# Allegro board 8880F5-0825_4.brd (continued)
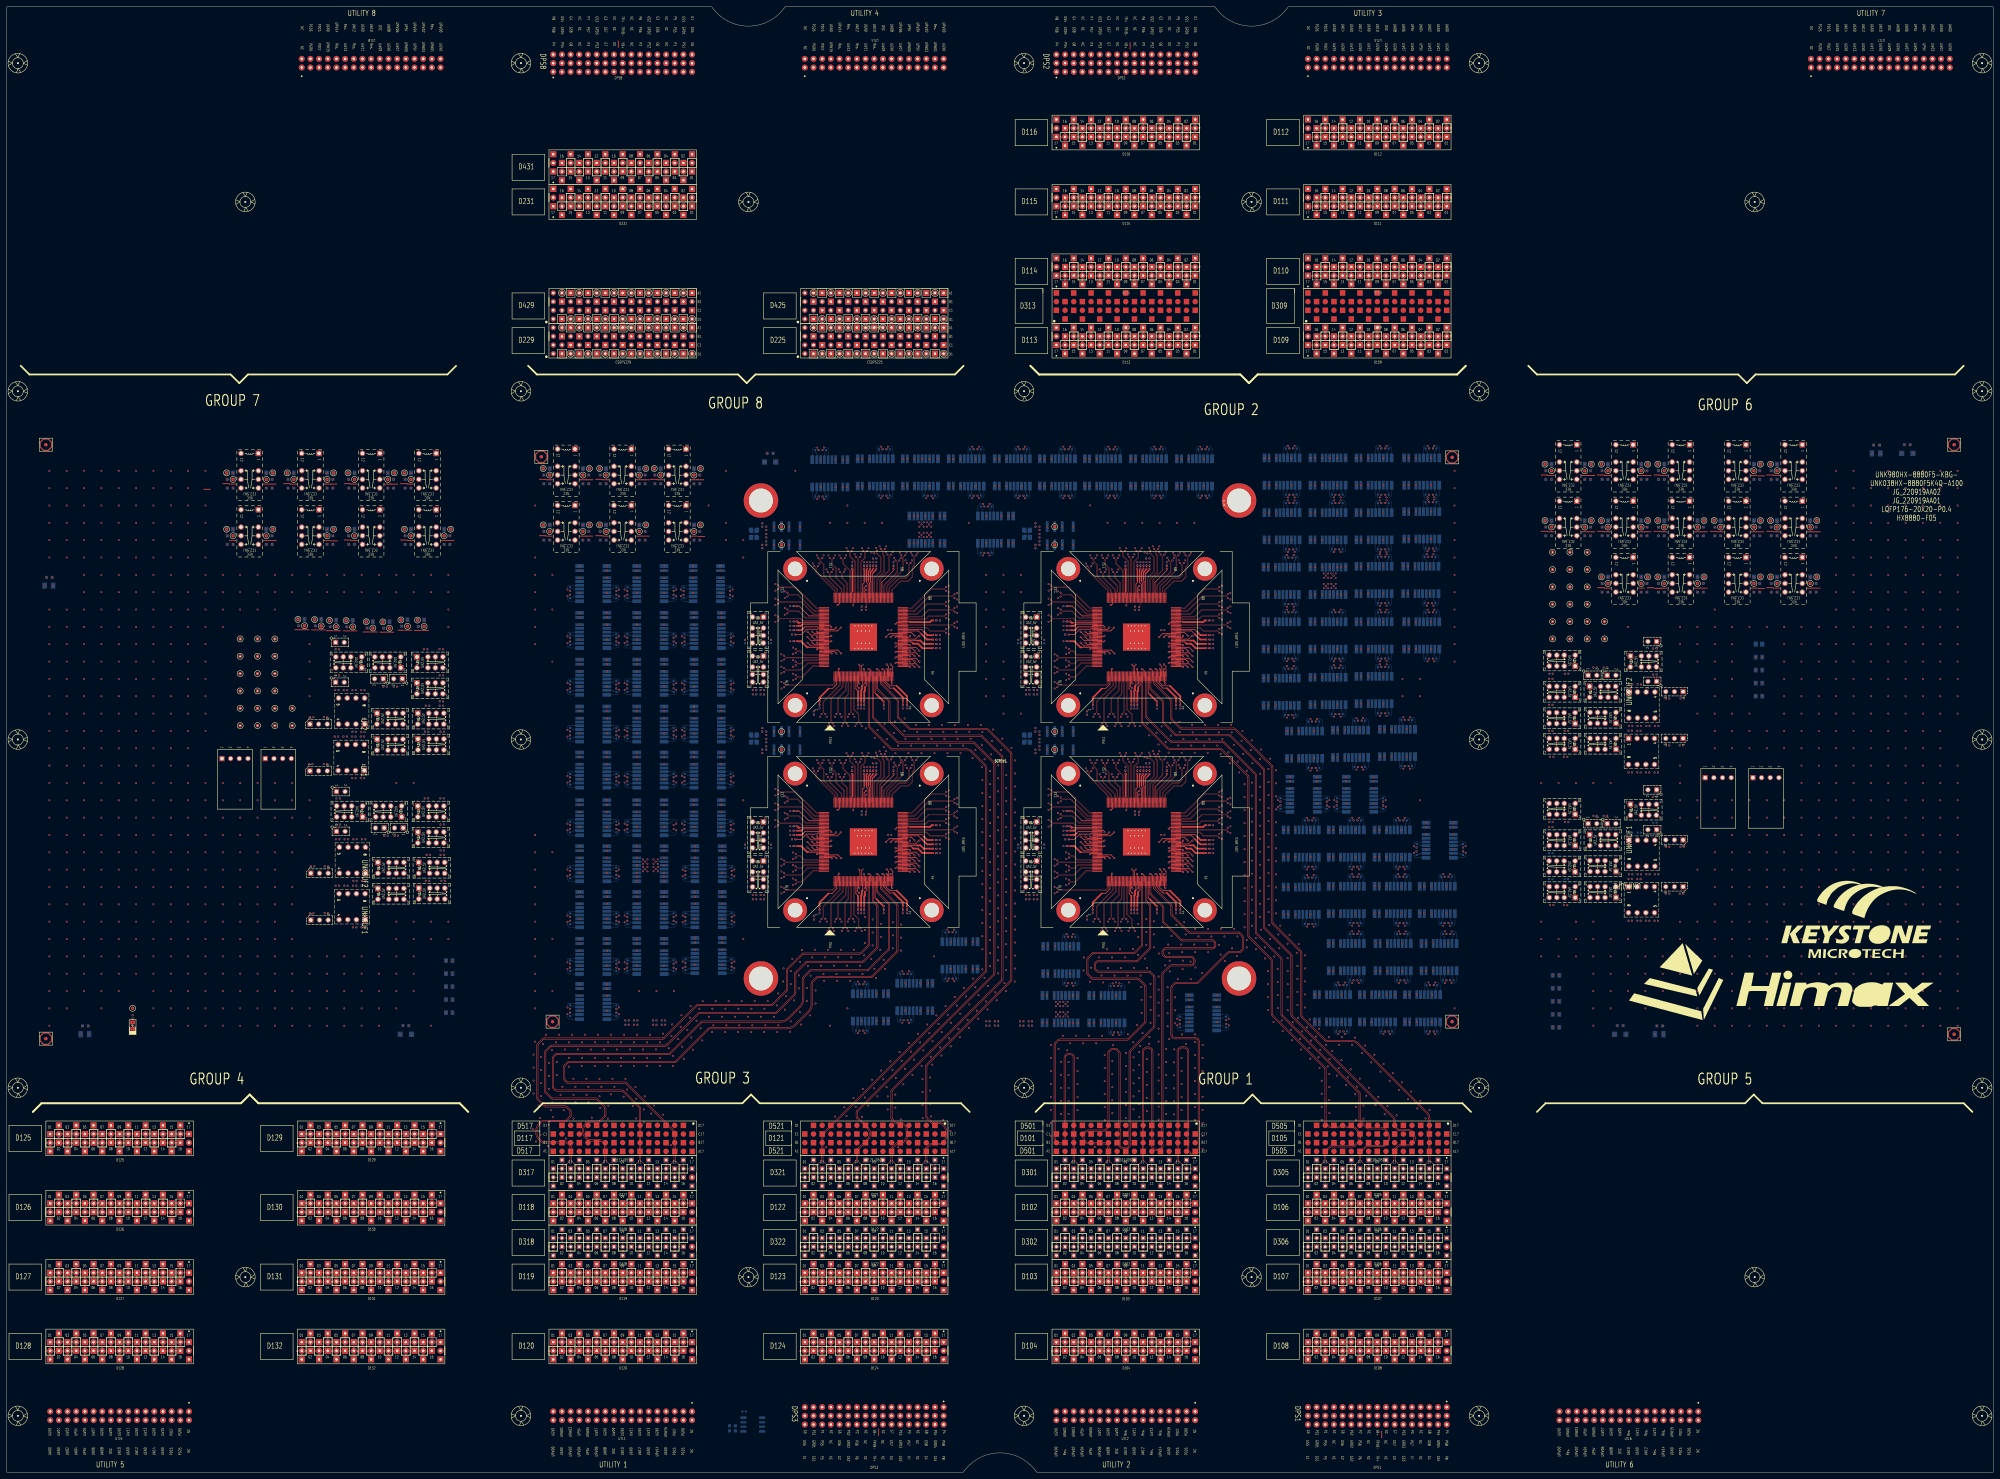
[diagram p0: board, top side]
## Routing (per net, layer and track width the routed paths; a pad name or vN(x,y) marks a point on that pad's centre or on a via; arc(x,y) is an arc through that point) (continued)
v1(340.37,39.47) v1(340.37,36.93) v1(340.38,152.07) v1(340.38,126.85) v1(340.53,149.84) v1(340.54,146.68) v1(340.64,219.41) v1(340.85,215.78) v1(341.05,157.05) v1(341.54,269.37) v1(341.54,209.37) v1(341.57,88.9) v1(341.57,68.58) v1(341.64,393.8) v1(341.62,391.06) v1(341.64,373.48) v1(341.62,370.74) v1(341.64,353.16) v1(341.62,350.42) v1(341.64,332.84) v1(341.62,330.1) v1(341.64,78.84) v1(341.62,76.1) v1(341.64,58.52) v1(341.62,55.78) v1(341.64,38.2) v1(341.62,35.46) v1(341.74,267.86) v1(341.74,207.86) v1(341.77,120.04) v1(341.77,116.23) v1(341.77,112.42) v1(341.77,108.61) v1(341.77,104.8) v1(341.69,86.36) v1(341.69,66.04) v1(341.84,123.85) v1(342.12,139.11) v1(342.12,135.3) v1(342.12,131.49) v1(342.49,160.23) v1(342.63,296.86) v1(342.63,288.86) v1(342.65,278.1) v1(342.87,144.43) v1(342.91,395.07) v1(342.91,392.53) v1(342.91,374.75) v1(342.91,372.21) v1(342.91,354.43) v1(342.91,351.89) v1(342.91,334.11) v1(342.91,331.57) v1(342.9,87.57) v1(342.9,85.15) v1(342.89,77.37) v1(342.89,74.83) v1(342.9,67.25) v1(342.9,64.83) v1(342.89,57.05) v1(342.89,54.51) v1(342.89,36.73) v1(342.89,34.19) v1(343.04,212.86) v1(343.14,267.1) v1(343.14,207.1) v1(343.45,269.37) v1(343.38,219.81) v1(343.43,216.82) v1(343.45,209.37) v1(343.9,154.57) v1(344.03,210.74) v1(344,121.31) v1(344,117.5) v1(344,113.69) v1(344,109.88) v1(344,106.07) v1(344.18,393.8) v1(344.16,391.06) v1(344.18,373.48) v1(344.16,370.74) v1(344.18,353.16) v1(344.16,350.42) v1(344.18,332.84) v1(344.16,330.1) v1(344.1,128.23) v1(344.11,86.36) v1(344.18,78.84) v1(344.16,76.1) v1(344.11,66.04) v1(344.18,58.52) v1(344.16,55.78) v1(344.18,38.2) v1(344.16,35.46) v1(344.18,152.34) v1(344.23,88.9) v1(344.23,68.58) v1(344.34,149.84) v1(344.29,147.36) v1(344.53,214.79) v1(344.73,161.14) v1(344.8,269.37) v1(344.8,209.37) v1(345.05,267.1) v1(345.05,207.1) v1(345.18,157.54) v1(345.28,125.48) v1(345.43,392.33) v1(345.43,389.79) v1(345.43,372.01) v1(345.43,369.47) v1(345.43,351.69) v1(345.43,349.15) v1(345.43,331.37) v1(345.43,328.83) v1(345.44,90.11) v1(345.44,87.69) v1(345.45,80.11) v1(345.45,77.57) v1(345.44,69.79) v1(345.44,67.37) v1(345.45,59.79) v1(345.45,57.25) v1(345.45,39.47) v1(345.45,36.93) v1(346.08,296.86) v1(346.08,288.86) v1(346.27,139.72) v1(346.27,136.27) v1(346.27,131.87) v1(346.64,149.58) v1(346.65,88.9) v1(346.65,68.58) v1(346.72,393.8) v1(346.7,391.06) v1(346.72,373.48) v1(346.7,370.74) v1(346.72,353.16) v1(346.7,350.42) v1(346.72,332.84) v1(346.7,330.1) v1(346.7,269.37) v1(346.7,209.37) v1(346.68,144.43) v1(346.72,78.84) v1(346.72,58.52) v1(346.72,38.2) v1(346.85,212.86) v1(347.09,218.94) v1(347.24,216.72) v1(347.46,92) v1(347.73,278.1) v1(347.71,154.57) v1(347.84,210.74) v1(347.97,159.14) v1(347.91,128.23) v1(347.91,126.01) v1(347.94,122.2) v1(347.94,118.39) v1(347.94,114.58) v1(347.94,110.77) v1(347.94,106.96) v1(347.94,103.15) v1(347.99,395.07) v1(347.99,392.53) v1(347.99,374.75) v1(347.99,372.21) v1(347.99,354.43) v1(347.99,351.89) v1(347.99,334.11) v1(347.99,331.57) v1(347.99,152.34) v1(348.06,147.86) v1(348.34,214.79) v1(348.94,156.92) v1(349.26,393.8) v1(349.26,373.48) v1(349.26,353.16) v1(349.26,332.84) v1(350.04,146.23) v1(350.16,125.16) v1(350.16,121.35) v1(350.16,117.54) v1(350.16,113.73) v1(350.16,109.92) v1(350.16,106.11) v1(350.16,102.3) v1(350.16,98.49) v1(350.16,94.68) v1(350.48,296.86) v1(350.48,288.86) v1(350.66,212.86) v1(350.9,218.94) v1(351.05,216.72) v1(351.52,154.57) v1(351.65,210.74) v1(351.78,159.14) v1(351.8,152.34) v1(352.15,214.79) v1(352.75,156.92) v1(354.27,139.72) v1(354.27,136.27) v1(354.27,131.87) v1(354.47,212.86) v1(354.71,218.94) v1(354.86,216.72) v1(354.97,154.45) v1(355.44,210.38) v1(355.43,151.62) v1(355.59,159.14) v1(355.84,259.69) v1(355.84,257.79) v1(355.84,255.3) v1(355.84,253.39) v1(355.84,251.67) v1(355.84,249.76) v1(355.84,247.4) v1(355.84,245.5) v1(355.84,199.69) v1(355.84,197.79) v1(355.84,195.3) v1(355.84,193.39) v1(355.84,191.67) v1(355.84,189.76) v1(355.84,187.4) v1(355.84,185.5) v1(355.96,214.79) v1(356.56,156.92) v1(356.69,149.73) v1(357.71,210.86) v1(358.14,207.69) v1(358.28,257.56) v1(358.28,255.65) v1(358.28,253.6) v1(358.28,251.7) v1(358.28,249.18) v1(358.28,247.28) v1(358.28,197.56) v1(358.28,195.65) v1(358.28,193.6) v1(358.28,191.7) v1(358.28,189.18) v1(358.28,187.28) v1(358.52,218.94) v1(358.67,216.72) v1(358.77,153.46) v1(359.36,213.06) v1(359.4,159.14) v1(360.19,151.23) v1(360.37,156.92) v1(360.4,208.16) v1(360.83,204.99) v1(361.56,214.23) v1(361.85,217.08) v1(362.05,210.37) v1(362.45,201.55) v1(362.45,197.74) v1(362.45,193.93) v1(362.45,190.12) v1(362.45,186.31) v1(362.45,182.5) v1(362.45,178.69) v1(362.45,174.88) v1(362.45,171.07) v1(362.45,167.26) v1(362.45,163.45) v1(362.45,159.64) v1(363.07,155.88) v1(363.07,153.73) v1(363.09,205.47) v1(364.25,211.54) v1(364.54,214.39) v1(364.65,201.99) v1(364.65,198.18) v1(364.65,194.37) v1(364.65,190.56) v1(364.65,186.75) v1(364.65,182.94) v1(364.65,179.13) v1(364.65,175.32) v1(364.65,171.51) v1(364.65,167.7) v1(364.65,163.89) v1(364.65,160.08) v1(364.75,207.68) v1(365.74,156.43) v1(365.76,153.18) v1(366.94,208.84) v1(367.01,204.61) v1(367.01,200.8) v1(367.01,196.99) v1(367.01,193.18) v1(367.01,189.37) v1(367.01,185.56) v1(367.01,181.75) v1(367.01,177.94) v1(367.01,174.13) v1(367.01,170.32) v1(367.01,166.51) v1(367.01,162.7) v1(367.24,211.7) v1(367.26,158.9) v1(368.03,265.11) v1(368.03,257.11) v1(368.03,249.11) v1(368.03,241.11) v1(368.03,232.6) v1(368.03,224.6) v1(368.28,297.12) v1(368.28,289.12) v1(368.28,281.11) v1(368.28,273.11) v1(368.44,153.74) v1(368.46,150.49) v1(369.31,146.77) v1(369.31,142.96) v1(369.31,139.15) v1(369.31,135.34) v1(369.44,205.97) v1(369.44,202.16) v1(369.44,198.35) v1(369.44,194.54) v1(369.44,190.73) v1(369.44,186.92) v1(369.44,183.11) v1(369.44,179.3) v1(369.44,175.49) v1(369.44,171.68) v1(369.44,167.87) v1(369.44,164.06) v1(369.68,160.25) v1(369.93,209) v1(369.93,156.18) v1(370.92,131.89) v1(371.13,151.04) v1(371.48,265.11) v1(371.48,257.11) v1(371.48,249.11) v1(371.48,241.11) v1(371.48,232.6) v1(371.48,224.6) v1(371.67,205.61) v1(371.67,201.8) v1(371.67,197.99) v1(371.67,194.18) v1(371.67,190.37) v1(371.67,186.56) v1(371.67,182.75) v1(371.67,178.94) v1(371.67,175.13) v1(371.67,171.32) v1(371.67,167.51) v1(371.67,163.7) v1(371.73,297.12) v1(371.73,289.12) v1(371.73,281.11) v1(371.73,273.11) v1(372.15,147.37) v1(372.15,143.56) v1(372.15,139.75) v1(372.15,135.94) v1(372.34,157.52) v1(372.62,153.48) v1(372.91,160.1) v1(373.32,132.32) v1(373.61,129.2) v1(373.87,188.15) v1(373.87,180.15) v1(373.87,171.39) v1(373.87,163.39) v1(374.88,217.11) v1(374.88,209.11) v1(375.03,154.83) v1(375.07,150.56) v1(375.07,146.75) v1(375.07,142.94) v1(375.07,139.13) v1(375.07,135.32) v1(375.6,157.41) v1(375.73,203.73) v1(375.73,200.28) v1(375.73,195.88) v1(375.88,265.11) v1(375.88,257.11) v1(375.88,249.11) v1(375.88,241.11) v1(375.88,232.6) v1(375.88,224.6) v1(376.02,129.62) v1(376.13,297.12) v1(376.13,289.12) v1(376.13,281.11) v1(376.13,273.11) v1(376.31,126.5) v1(376.54,131.81) v1(377.32,188.15) v1(377.32,180.15) v1(377.32,171.39) v1(377.32,163.39) v1(377.73,152.14) v1(377.93,148.33) v1(377.93,144.52) v1(377.93,140.71) v1(377.93,136.9) v1(378.07,133.09) v1(378.33,217.11) v1(378.33,209.11) v1(378.3,154.71) v1(378.71,126.93) v1(379,123.81) v1(379.23,129.11) v1(379.72,76.1) v1(379.72,55.78) v1(379.72,35.46) v1(379.79,86.36) v1(379.79,66.04) v1(380.16,151.39) v1(380.16,147.58) v1(380.16,143.77) v1(380.16,139.96) v1(380.16,136.15) v1(380.69,130.32) v1(381,87.57) v1(381,85.15) v1(380.99,77.37) v1(380.99,74.83) v1(381,67.25) v1(381,64.83) v1(380.99,57.05) v1(380.99,54.51) v1(380.99,36.73) v1(380.99,34.19) v1(381.4,124.24) v1(381.55,132.6) v1(381.74,297.12) v1(381.74,289.12) v1(381.74,281.11) v1(381.74,273.11) v1(381.74,265.11) v1(381.74,257.11) v1(381.74,249.11) v1(381.74,241.11) v1(381.74,232.85) v1(381.74,224.85) v1(381.72,188.15) v1(381.72,180.15) v1(381.72,171.39) v1(381.72,163.39) v1(381.69,121.11) v1(381.93,126.42) v1(382.26,391.06) v1(382.26,370.74) v1(382.26,350.42) v1(382.26,330.1) v1(382.21,86.36) v1(382.28,78.84) v1(382.26,76.1) v1(382.21,66.04) v1(382.28,58.52) v1(382.26,55.78) v1(382.28,38.2) v1(382.26,35.46) v1(382.33,88.9) v1(382.33,68.58) v1(382.73,217.11) v1(382.73,209.11) v1(383.01,139.89) v1(383.01,131.89) v1(383.38,127.63) v1(383.53,392.33) v1(383.53,389.79) v1(383.53,372.01) v1(383.53,369.47) v1(383.53,351.69) v1(383.53,349.15) v1(383.53,331.37) v1(383.53,328.83) v1(383.54,90.11) v1(383.54,87.69) v1(383.55,80.11) v1(383.55,77.57) v1(383.54,69.79) v1(383.54,67.37) v1(383.55,59.79) v1(383.55,57.25) v1(383.55,39.47) v1(383.55,36.93) v1(383.73,203.73) v1(383.73,200.28) v1(383.73,195.88) v1(384.1,121.54) v1(384.25,129.91) v1(384.39,118.42) v1(384.62,123.73) v1(384.75,88.9) v1(384.75,68.58) v1(384.82,393.8) v1(384.8,391.06) v1(384.82,373.48) v1(384.8,370.74) v1(384.82,353.16) v1(384.8,350.42) v1(384.82,332.84) v1(384.8,330.1) v1(384.87,86.36) v1(384.82,78.84) v1(384.8,76.1) v1(384.87,66.04) v1(384.82,58.52) v1(384.8,55.78) v1(384.82,38.2) v1(384.8,35.46) v1(385.03,114.67) v1(385.03,110.86) v1(385.03,107.05) v1(385.03,103.24) v1(385.19,297.12) v1(385.19,289.12) v1(385.19,281.11) v1(385.19,273.11) v1(385.19,265.11) v1(385.19,257.11) v1(385.19,249.11) v1(385.19,241.11) v1(385.19,232.85) v1(385.19,224.85) v1(385.66,263.27) v1(385.66,262) v1(385.66,260.22) v1(385.66,258.95) v1(386.08,87.57) v1(386.08,85.15) v1(386.07,77.37) v1(386.07,74.83) v1(386.08,67.25) v1(386.08,64.83) v1(386.07,57.05) v1(386.07,54.51) v1(386.07,36.73) v1(386.07,34.19) v1(386.09,395.07) v1(386.09,392.53) v1(386.09,374.75) v1(386.09,372.21) v1(386.09,354.43) v1(386.09,351.89) v1(386.09,334.11) v1(386.09,331.57) v1(386.32,125.21) v1(386.46,139.89) v1(386.46,131.89) v1(386.79,118.85) v1(386.93,263.27) v1(386.93,262) v1(386.93,260.22) v1(386.93,258.95) v1(387.08,188.15) v1(387.08,180.15) v1(387.08,171.64) v1(387.08,163.64) v1(387.08,154.88) v1(387.08,146.88) v1(387.14,127.42) v1(387.26,116.61) v1(387.26,112.8) v1(387.26,108.99) v1(387.26,105.18) v1(387.36,393.8) v1(387.34,391.06) v1(387.36,373.48) v1(387.34,370.74) v1(387.36,353.16) v1(387.34,350.42) v1(387.36,332.84) v1(387.34,330.1) v1(387.32,121.03) v1(387.29,86.36) v1(387.36,78.84) v1(387.34,76.1) v1(387.29,66.04) v1(387.36,58.52) v1(387.34,55.78) v1(387.36,38.2) v1(387.34,35.46) v1(387.39,297.12) v1(387.39,265.11) v1(387.39,257.11) v1(387.41,88.9) v1(387.41,68.58) v1(387.86,263.27) v1(387.86,262) v1(387.86,260.22) v1(387.86,258.95) v1(388.11,123.38) v1(388.35,217.36) v1(388.35,209.36) v1(388.61,392.33) v1(388.61,389.79) v1(388.61,372.01) v1(388.61,369.47) v1(388.61,351.69) v1(388.61,349.15) v1(388.61,331.37) v1(388.61,328.83) v1(388.62,90.11) v1(388.62,87.69) v1(388.63,80.11) v1(388.63,77.57) v1(388.62,69.79) v1(388.62,67.37) v1(388.63,59.79) v1(388.63,57.25) v1(388.63,39.47) v1(388.63,36.93) v1(389.13,263.27) v1(389.13,262) v1(389.13,260.22) v1(389.13,258.95) v1(389.49,116.15) v1(389.59,297.12) v1(389.59,289.12) v1(389.59,281.11) v1(389.59,273.11) v1(389.59,265.11) v1(389.59,257.11) v1(389.59,249.11) v1(389.59,241.11) v1(389.59,232.85) v1(389.59,224.85) v1(389.83,88.9) v1(389.83,68.58) v1(389.9,393.8) v1(389.88,391.06) v1(389.9,373.48) v1(389.88,370.74) v1(389.9,353.16) v1(389.88,350.42) v1(389.9,332.84) v1(389.88,330.1) v1(389.95,86.36) v1(389.9,78.84) v1(389.88,76.1) v1(389.95,66.04) v1(389.9,58.52) v1(389.88,55.78) v1(389.9,38.2) v1(389.88,35.46) v1(390.01,118.34) v1(390.13,125.2) v1(390.53,188.15) v1(390.53,180.15) v1(390.53,171.64) v1(390.53,163.64) v1(390.53,154.88) v1(390.53,146.88) v1(390.86,139.89) v1(390.86,131.89) v1(390.81,120.69) v1(390.95,127.42) v1(391.17,395.07) v1(391.17,392.53) v1(391.17,374.75) v1(391.17,372.21) v1(391.17,354.43) v1(391.17,351.89) v1(391.17,334.11) v1(391.17,331.57) v1(391.16,87.57) v1(391.16,85.15) v1(391.15,77.37) v1(391.15,74.83) v1(391.16,67.25) v1(391.16,64.83) v1(391.15,57.05) v1(391.15,54.51) v1(391.15,36.73) v1(391.15,34.19) v1(391.8,217.36) v1(391.8,209.36) v1(392.04,297.12) v1(392.04,265.11) v1(392.04,257.11) v1(392.24,203.73) v1(392.24,200.28) v1(392.24,195.88) v1(392.18,113.46) v1(392.37,86.36) v1(392.37,66.04) v1(392.44,393.8) v1(392.42,391.06) v1(392.44,373.48) v1(392.42,370.74) v1(392.44,353.16) v1(392.42,350.42) v1(392.44,332.84) v1(392.42,330.1) v1(392.44,78.84) v1(392.42,76.1) v1(392.44,58.52) v1(392.42,55.78) v1(392.44,38.2) v1(392.42,35.46) v1(392.49,88.9) v1(392.49,68.58) v1(392.7,115.64) v1(393.5,117.99) v1(393.69,392.33) v1(393.69,389.79) v1(393.69,372.01) v1(393.69,369.47) v1(393.69,351.69) v1(393.69,349.15) v1(393.69,331.37) v1(393.69,328.83) v1(393.7,90.11) v1(393.7,87.69) v1(393.71,80.11) v1(393.71,77.57) v1(393.7,69.79) v1(393.7,67.37) v1(393.71,59.79) v1(393.71,57.25) v1(393.71,39.47) v1(393.71,36.93) v1(393.94,125.2) v1(394.76,127.32) v1(394.87,110.77) v1(394.98,393.8) v1(394.96,391.06) v1(394.98,373.48) v1(394.96,370.74) v1(394.98,353.16) v1(394.96,350.42) v1(394.98,332.84) v1(394.96,330.1) v1(394.93,188.15) v1(394.93,180.15) v1(394.93,171.64) v1(394.93,163.64) v1(394.93,154.88) v1(394.93,146.88) v1(394.91,88.9) v1(394.98,78.84) v1(394.96,76.1) v1(394.91,68.58) v1(394.98,58.52) v1(394.96,55.78) v1(394.98,38.2) v1(394.96,35.46) v1(395.03,106.96) v1(395.04,103.15) v1(395.03,86.36) v1(395.03,66.04) v1(395.2,297.12) v1(395.2,289.12) v1(395.2,281.11) v1(395.2,273.11) v1(395.2,265.37) v1(395.2,257.37) v1(395.2,249.11) v1(395.2,241.11) v1(395.2,233.11) v1(395.2,225.11) v1(395.4,112.95) v1(396.25,395.07) v1(396.25,392.53) v1(396.25,374.75) v1(396.25,372.21) v1(396.25,354.43) v1(396.25,351.89) v1(396.25,334.11) v1(396.25,331.57) v1(396.2,217.36) v1(396.2,209.36) v1(396.22,139.89) v1(396.22,131.89) v1(396.19,115.3) v1(396.24,87.57) v1(396.24,85.15) v1(396.23,77.37) v1(396.23,74.83) v1(396.24,67.25) v1(396.24,64.83) v1(396.23,57.05) v1(396.23,54.51) v1(396.23,36.73) v1(396.23,34.19) v1(396.85,122.74) v1(397.25,107.4) v1(397.25,103.59) v1(397.45,86.36) v1(397.45,66.04) v1(397.52,393.8) v1(397.5,391.06) v1(397.52,373.48) v1(397.5,370.74) v1(397.52,353.16) v1(397.5,350.42) v1(397.52,332.84) v1(397.5,330.1) v1(397.57,88.9) v1(397.52,78.84) v1(397.5,76.1) v1(397.57,68.58) v1(397.52,58.52) v1(397.5,55.78) v1(397.52,38.2) v1(397.5,35.46) v1(397.76,124.98) v1(398.09,110.26) v1(398.65,297.12) v1(398.65,289.12) v1(398.65,281.11) v1(398.65,273.11) v1(398.65,265.37) v1(398.65,257.37) v1(398.65,249.11) v1(398.65,241.11) v1(398.65,233.11) v1(398.65,225.11) v1(398.77,392.33) v1(398.77,389.79) v1(398.77,372.01) v1(398.77,369.47) v1(398.77,351.69) v1(398.77,349.15) v1(398.77,331.37) v1(398.77,328.83) v1(398.78,90.11) v1(398.78,87.69) v1(398.79,80.11) v1(398.79,77.57) v1(398.78,69.79) v1(398.78,67.37) v1(398.79,59.79) v1(398.79,57.25) v1(398.79,39.47) v1(398.79,36.93) v1(398.89,112.6) v1(399.55,120.04) v1(399.67,139.89) v1(399.67,131.89) v1(400.06,393.8) v1(400.04,391.06) v1(400.06,373.48) v1(400.04,370.74) v1(400.06,353.16) v1(400.04,350.42) v1(400.06,332.84) v1(400.04,330.1) v1(399.99,88.9) v1(400.06,78.84) v1(400.04,76.1) v1(399.99,68.58) v1(400.06,58.52) v1(400.04,55.78) v1(400.06,38.2) v1(400.04,35.46) v1(400.11,86.36) v1(400.11,66.04) v1(400.24,203.73) v1(400.24,200.28) v1(400.24,195.88) v1(400.46,122.28) v1(400.54,188.15) v1(400.54,180.15) v1(400.54,171.64) v1(400.54,163.64) v1(400.79,154.88) v1(400.79,146.88) v1(400.79,107.56) v1(401.33,395.07) v1(401.33,392.53) v1(401.33,374.75) v1(401.33,372.21) v1(401.33,354.43) v1(401.33,351.89) v1(401.33,334.11) v1(401.33,331.57) v1(401.32,87.57) v1(401.32,85.15) v1(401.31,77.37) v1(401.31,74.83) v1(401.32,67.25) v1(401.32,64.83) v1(401.31,57.05) v1(401.31,54.51) v1(401.31,36.73) v1(401.31,34.19) v1(401.58,109.91) v1(401.87,139.89) v1(402.06,217.61) v1(402.06,209.61) v1(402.24,117.35) v1(402.53,86.36) v1(402.53,66.04) v1(402.6,393.8) v1(402.58,391.06) v1(402.6,373.48) v1(402.58,370.74) v1(402.6,353.16) v1(402.58,350.42) v1(402.6,332.84) v1(402.58,330.1) v1(402.65,88.9) v1(402.6,78.84) v1(402.58,76.1) v1(402.65,68.58) v1(402.6,58.52) v1(402.58,55.78) v1(402.6,38.2) v1(402.58,35.46) v1(403.05,297.12) v1(403.05,289.12) v1(403.05,281.11) v1(403.05,273.11) v1(403.05,265.37) v1(403.05,257.37) v1(403.05,249.11) v1(403.05,241.11) v1(403.05,233.11) v1(403.05,225.11) v1(403.15,119.59) v1(403.48,104.87) v1(403.85,392.33) v1(403.85,389.79) v1(403.85,372.01) v1(403.85,369.47) v1(403.85,351.69) v1(403.85,349.15) v1(403.85,331.37) v1(403.85,328.83) v1(403.86,90.11) v1(403.86,87.69) v1(403.87,80.11) v1(403.87,77.57) v1(403.86,69.79) v1(403.86,67.37) v1(403.87,59.79) v1(403.87,57.25) v1(403.87,39.47) v1(403.87,36.93) v1(403.99,188.15) v1(403.99,180.15) v1(403.99,171.64) v1(403.99,163.64) v1(404.07,139.89) v1(404.07,131.89) v1(404.24,154.88) v1(404.24,146.88) v1(404.28,107.22) v1(404.93,114.66) v1(405.07,88.9) v1(405.07,68.58) v1(405.14,393.8) v1(405.12,391.06) v1(405.14,373.48) v1(405.12,370.74) v1(405.14,353.16) v1(405.12,350.42) v1(405.14,332.84) v1(405.12,330.1) v1(405.14,78.84) v1(405.12,76.1) v1(405.14,58.52) v1(405.12,55.78) v1(405.14,38.2) v1(405.12,35.46) v1(405.19,86.36) v1(405.19,66.04) v1(405.51,217.61) v1(405.51,209.61) v1(405.84,116.89) v1(406.41,395.07) v1(406.41,392.53) v1(406.41,374.75) v1(406.41,372.21) v1(406.41,354.43) v1(406.41,351.89) v1(406.41,334.11) v1(406.41,331.57) v1(406.4,87.57) v1(406.4,85.15) v1(406.39,77.37) v1(406.39,74.83) v1(406.4,67.25) v1(406.4,64.83) v1(406.39,57.05) v1(406.39,54.51) v1(406.39,36.73) v1(406.39,34.19) v1(406.52,139.89) v1(406.97,104.52) v1(407.68,393.8) v1(407.66,391.06) v1(407.68,373.48) v1(407.66,370.74) v1(407.68,353.16) v1(407.66,350.42) v1(407.68,332.84) v1(407.66,330.1) v1(407.63,111.96) v1(407.61,86.36) v1(407.68,78.84) v1(407.66,76.1) v1(407.61,66.04) v1(407.68,58.52) v1(407.66,55.78) v1(407.68,38.2) v1(407.66,35.46) v1(407.73,88.9) v1(407.73,68.58) v1(408.39,188.15) v1(408.39,180.15) v1(408.39,171.64) v1(408.39,163.64) v1(408.54,114.2) v1(408.64,154.88) v1(408.64,146.88) v1(408.69,232.38) v1(408.69,227.3) v1(408.93,392.33) v1(408.93,389.79) v1(408.93,372.01) v1(408.93,369.47) v1(408.93,351.69) v1(408.93,349.15) v1(408.93,331.37) v1(408.93,328.83) v1(408.92,265.37) v1(408.92,257.37) v1(408.94,90.11) v1(408.94,87.69) v1(408.95,80.11) v1(408.95,77.57) v1(408.94,69.79) v1(408.94,67.37) v1(408.95,59.79) v1(408.95,57.25) v1(408.95,39.47) v1(408.95,36.93) v1(409.17,297.12) v1(409.17,289.12) v1(409.17,281.37) v1(409.17,273.37) v1(409.17,249.11) v1(409.17,241.11) v1(409.43,139.89) v1(409.43,131.89) v1(409.91,217.61) v1(409.91,209.61) v1(410.15,88.9) v1(410.15,68.58) v1(410.22,393.8) v1(410.2,391.06) v1(410.22,373.48) v1(410.2,370.74) v1(410.22,353.16) v1(410.2,350.42) v1(410.22,332.84) v1(410.2,330.1) v1(410.27,86.36) v1(410.22,78.84) v1(410.2,76.1) v1(410.27,66.04) v1(410.22,58.52) v1(410.2,55.78) v1(410.22,38.2) v1(410.2,35.46) v1(410.32,109.27) v1(411.23,111.5) v1(411.47,77.37) v1(411.47,74.83) v1(411.47,57.05) v1(411.47,54.51) v1(411.47,36.73) v1(411.47,34.19) v1(411.49,395.07) v1(411.49,392.53) v1(411.49,374.75) v1(411.49,372.21) v1(411.49,354.43) v1(411.49,351.89) v1(411.49,334.11) v1(411.49,331.57) v1(411.48,87.57) v1(411.48,85.15) v1(411.48,67.25) v1(411.48,64.83) v1(412.37,265.37) v1(412.37,257.37) v1(412.62,297.12) v1(412.62,289.12) v1(412.62,281.37) v1(412.62,273.37) v1(412.62,249.11) v1(412.62,241.11) v1(412.76,393.8) v1(412.74,391.06) v1(412.76,373.48) v1(412.74,370.74) v1(412.76,353.16) v1(412.74,350.42) v1(412.76,332.84) v1(412.74,330.1) v1(412.69,86.36) v1(412.76,78.84) v1(412.74,76.1) v1(412.69,66.04) v1(412.76,58.52) v1(412.74,55.78) v1(412.76,38.2) v1(412.74,35.46) v1(412.88,139.89) v1(412.88,131.89) v1(412.81,88.9) v1(412.81,68.58) v1(413.02,106.57) v1(413.77,232.38) v1(413.77,227.3) v1(413.77,196.82) v1(413.75,171.64) v1(413.75,163.64) v1(413.93,108.81) v1(414.01,392.33) v1(414.01,389.79) v1(414.01,372.01) v1(414.01,369.47) v1(414.01,351.69) v1(414.01,349.15) v1(414.01,331.37) v1(414.01,328.83) v1(414.02,90.11) v1(414.02,87.69) v1(414.03,80.11) v1(414.03,77.57) v1(414.02,69.79) v1(414.02,67.37) v1(414.03,59.79) v1(414.03,57.25) v1(414.03,39.47) v1(414.03,36.93) v1(414.25,154.88) v1(414.25,146.88) v1(415.23,88.9) v1(415.23,68.58) v1(415.3,393.8) v1(415.28,391.06) v1(415.3,373.48) v1(415.28,370.74) v1(415.3,353.16) v1(415.28,350.42) v1(415.3,332.84) v1(415.28,330.1) v1(415.35,86.36) v1(415.3,78.84) v1(415.28,76.1) v1(415.35,66.04) v1(415.3,58.52) v1(415.28,55.78) v1(415.3,38.2) v1(415.28,35.46) v1(415.44,103.64) v1(415.61,190.27) v1(415.61,186.82) v1(415.61,182.42) v1(416.57,395.07) v1(416.57,392.53) v1(416.57,374.75) v1(416.57,372.21) v1(416.57,354.43) v1(416.57,351.89) v1(416.57,334.11) v1(416.57,331.57) v1(416.56,87.57) v1(416.56,85.15) v1(416.55,77.37) v1(416.55,74.83) v1(416.56,67.25) v1(416.56,64.83) v1(416.55,57.05) v1(416.55,54.51) v1(416.55,36.73) v1(416.55,34.19) v1(416.62,106.12) v1(416.77,265.37) v1(416.77,257.37) v1(417.02,297.12) v1(417.02,289.12) v1(417.02,281.37) v1(417.02,273.37) v1(417.02,249.11) v1(417.02,241.11) v1(417.2,171.64) v1(417.2,163.64) v1(417.28,139.89) v1(417.28,131.89) v1(417.7,154.88) v1(417.7,146.88) v1(417.77,86.36) v1(417.77,66.04) v1(417.84,393.8) v1(417.82,391.06) v1(417.84,373.48) v1(417.82,370.74) v1(417.84,353.16) v1(417.82,350.42) v1(417.84,332.84) v1(417.82,330.1) v1(417.84,78.84) v1(417.82,76.1) v1(417.84,58.52) v1(417.82,55.78) v1(417.84,38.2) v1(417.82,35.46) v1(417.89,88.9) v1(417.89,68.58) v1(419.09,392.33) v1(419.09,389.79) v1(419.09,372.01) v1(419.09,369.47) v1(419.09,351.69) v1(419.09,349.15) v1(419.09,331.37) v1(419.09,328.83) v1(419.1,90.11) v1(419.1,87.69) v1(419.11,80.11) v1(419.11,77.57) v1(419.1,69.79) v1(419.1,67.37) v1(419.11,59.79) v1(419.11,57.25) v1(419.11,39.47) v1(419.11,36.93) v1(420.38,393.8) v1(420.36,391.06) v1(420.38,373.48) v1(420.36,370.74) v1(420.38,353.16) v1(420.36,350.42) v1(420.38,332.84) v1(420.36,330.1) v1(420.31,88.9) v1(420.38,78.84) v1(420.31,68.58) v1(420.38,58.52) v1(420.38,38.2) v1(421.65,395.07) v1(421.65,392.53) v1(421.65,374.75) v1(421.65,372.21) v1(421.65,354.43) v1(421.65,351.89) v1(421.65,334.11) v1(421.65,331.57) v1(421.6,171.64) v1(421.6,163.64) v1(422.1,154.88) v1(422.1,146.88) v1(422.92,393.8) v1(422.92,373.48) v1(422.92,353.16) v1(422.92,332.84) v1(423.61,190.27) v1(423.61,186.82) v1(423.61,182.42) v1(423.93,293.34) v1(423.93,288.26) v1(423.93,283.18) v1(423.93,278.1) v1(423.93,273.02) v1(4